# KiCad board q2.kicad_pcb (continued)
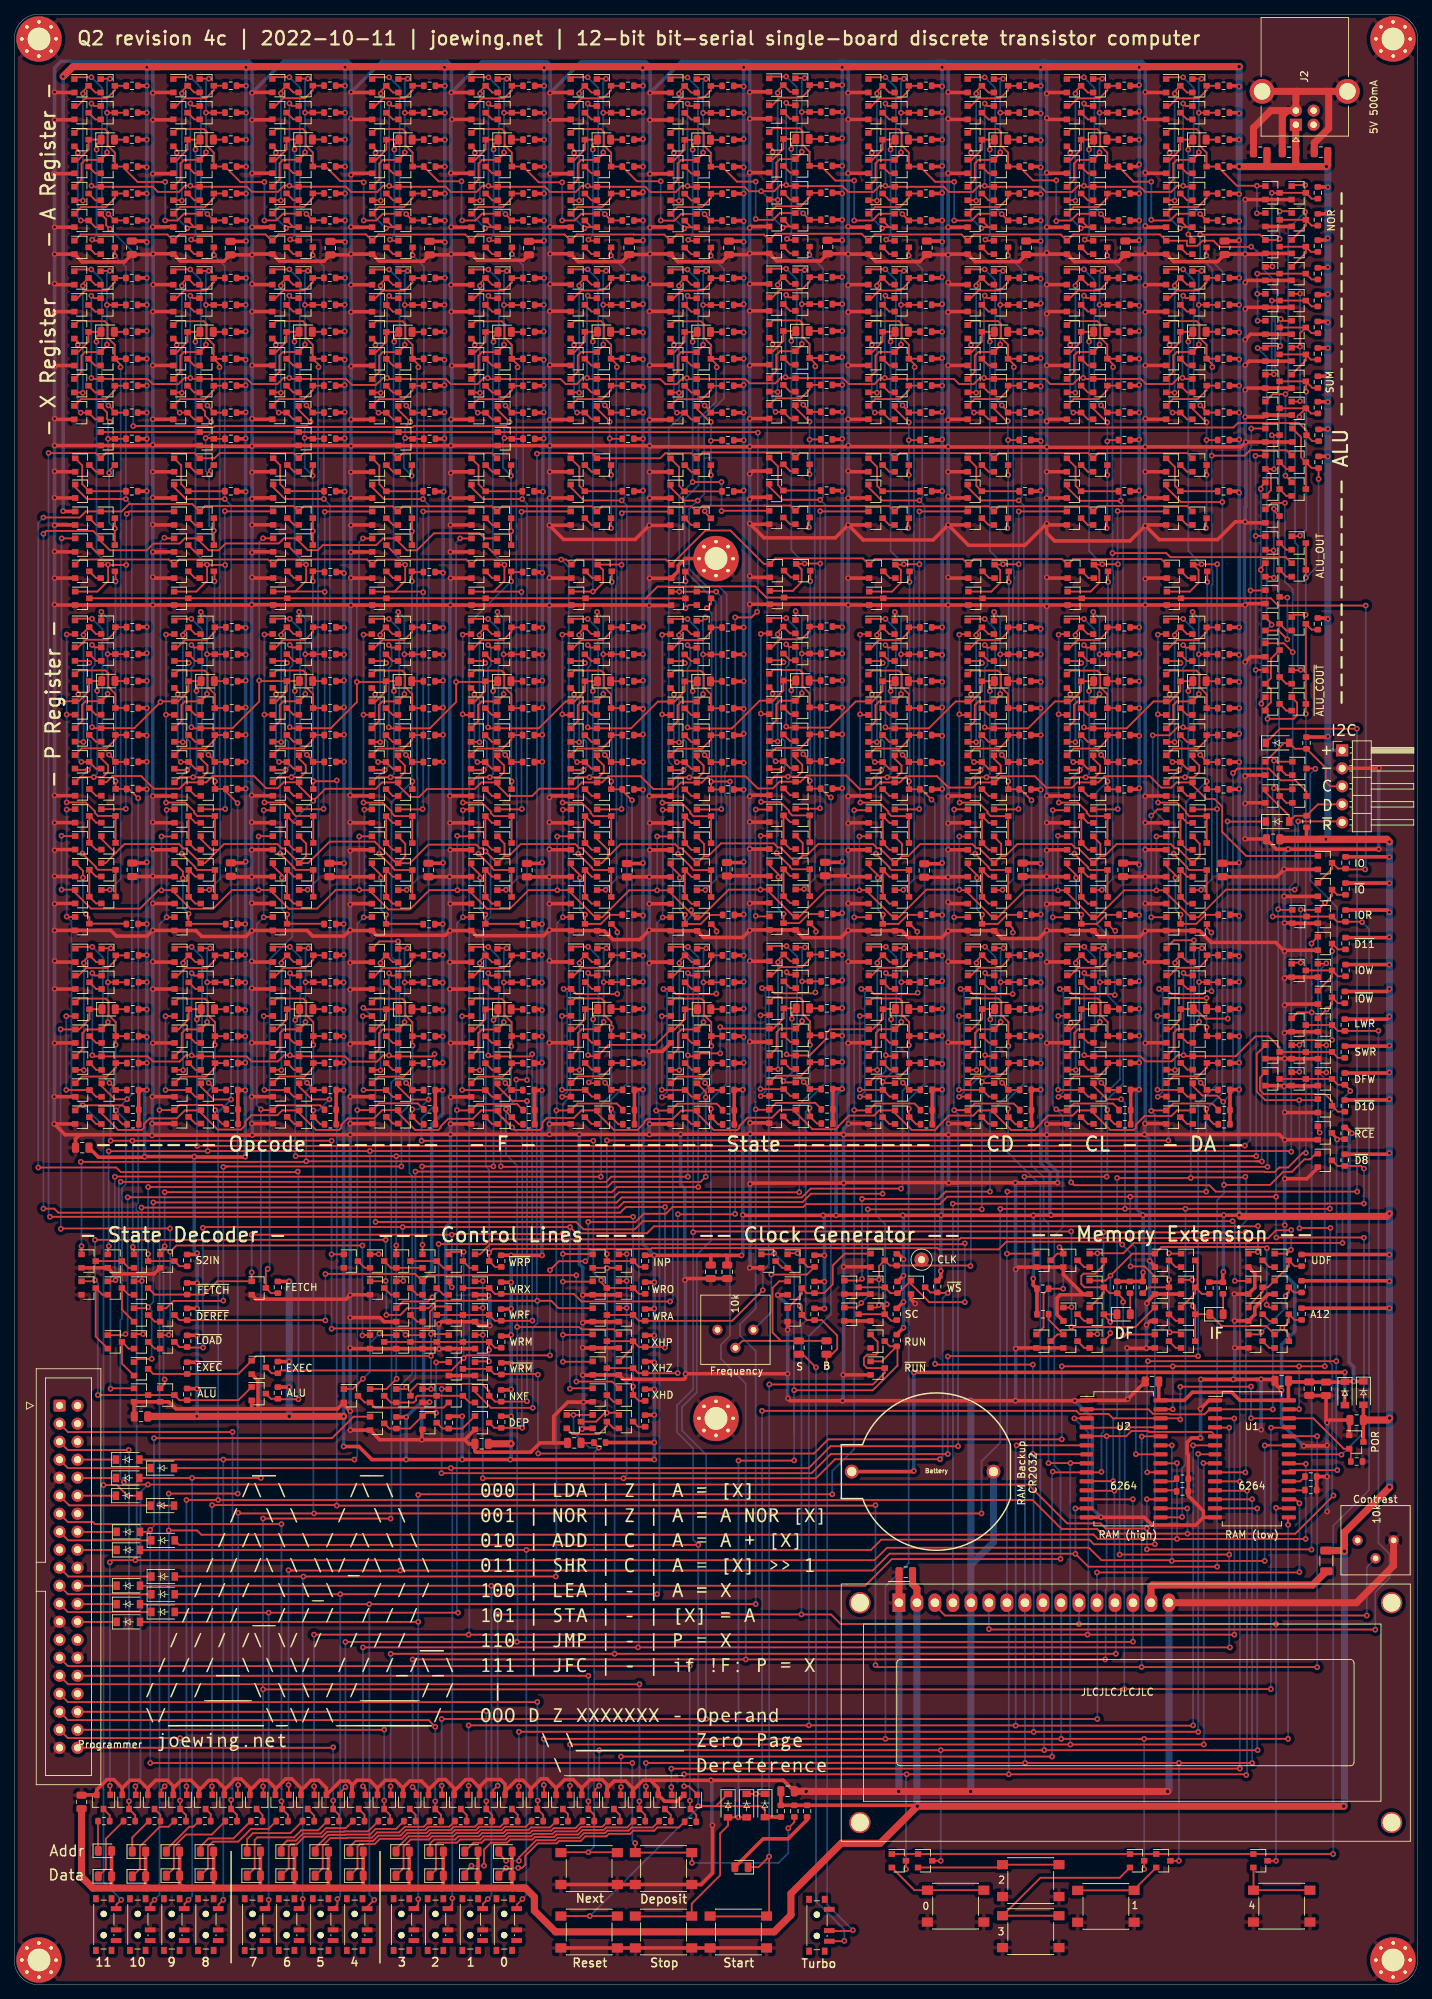
[diagram p0: board, top side]
## Routing (per net, layer and track width the routed paths; a pad name or vN(x,y) marks a point on that pad's centre or on a via; arc(x,y) is an arc through that point) (continued)
/Bit 6/~{XIN}: length 104.7
  Top w0.25: v1(71.62,165.87) 71.57,165.82 Q323.1 ; v1(67.61,231.79) 67.61,232.54 D18.1 Q313.3 66.49,231.78 65.04,230.33 Q309.1 ; Q296.1 v1(69.16,200.34) 69.16,198.06 67.64,196.54 67.44,196.54 ; Q944.1 71.61,207.85 v1(71.56,207.8) ; 67.44,196.54 Q305.1 ; 67.44,196.54 71.51,196.54 v1(71.56,196.49)
  Bottom w0.25: 67.52,231.79 67.52,201.98 v1(69.16,200.34) ; v1(71.56,207.8) v1(71.56,196.49) 71.56,165.93 v1(71.62,165.87)
/Bit 7/AH Register/DFF/~{Q}: length 21.6
  Top w0.25: v1(67.62,258.9) 67.62,259.66 D17.1 Q291.3 66.5,258.9 65.05,257.45 Q287.1 ; Q283.1 67.15,246.05 v1(67,246.2)
  Bottom w0.25: v1(67,246.2) 67.62,246.82 v1(67.62,258.9)
/Bit 7/AIN: length 28.9
  Top w0.25: 63.39,248.89 65.06,248.89 66.01,249.85 Q294.1 ; Q221.1 51.05,261.8 54.8,261.8 55.2,261.4 55.2,259.47 56.2,258.47 Q216.3 R95.2 59.86,254.42 v1(63.1,254.42)
  Bottom w0.25: v1(63.1,254.42) 63.1,249 v1(63.2,248.9)
/Bit 7/PH Register/P DFF/CLR: length 41.3
  Top w0.25: Q321.3 Q320.3 67.68,157.27 67.39,157.56 67.39,157.67 v1(65.49,159.56) ; Q339.2 64.62,171.37 v1(66.27,171.37) ; v1(66.47,186.47) 66.19,186.75 Q336.2
  Bottom w0.25: v1(66.47,186.47) 66.11,186.12 66.11,175.9 66.67,175.35 66.67,171.77 v1(66.27,171.37) 65.49,170.6 v1(65.49,159.56)
/Bit 7/PH Register/P DFF/Q: length 12
  Top w0.25: 71.72,180.1 Q330.3 70.14,182.07 69.14,183.07 69.14,185 68.74,185.4 64.99,185.4 Q335.1
/Bit 7/PH Register/P DFF/SET: length 37.7
  Top w0.25: Q322.3 Q323.3 67.68,164.87 67.24,165.31 67.24,165.53 66,166.77 63.27,166.77 ; Q332.2 63.34,190.55 v1(63.27,190.47) ; Q331.2 63.35,179.15 v1(63.27,179.23)
  Bottom w0.25: 63.27,166.77 v1(63.27,179.23) v1(63.27,190.47)
  vias: v1(63.3,166.78)
/Bit 7/XH Register/X DFF/D: length 27.3
  Top w0.25: v1(69.15,218.19) 70.2,218.19 70.31,218.09 71.88,218.09 ; Q316.1 68.19,222.17 v1(69.88,220.48) ; Q299.3 v1(70.11,205.05) Q298.3 ; v1(70.08,212.88) 70.08,214.36 Q300.3
  Bottom w0.25: v1(69.88,220.48) 69.05,219.66 ; 69.15,219.66 v1(69.15,218.19) ; v1(70.11,205.05) 70.08,205.08 v1(70.08,212.88) 68.95,214 68.95,218.19
/Bit 7/XOUT: length 89.1
  Top w0.25: v1(69.37,154.47) 69.32,154.42 Q321.1 ; v1(71.01,228.19) 71.01,228.56 Q308.3 ; Q308.3 70.19,231.35 69.19,232.35 69.19,234.28 68.79,234.68 65.04,234.68 Q313.1 ; Q308.3 R133.2
  Bottom w0.25: v1(69.37,154.47) 70.89,156 70.89,170.12 70.83,170.18 70.83,228.17
/Bit 7/~{P}: length 80.9
  Top w0.25: v1(52.84,189) 53.19,188.65 Q263.1 ; v1(52.84,177.4) 52.99,177.25 Q264.1 58.63,177.25 62.34,180.96 v1(62.34,183.8) 66.14,183.8 ; Q338.1 68.14,172.99 69.11,172.02 69.11,171.08 68.37,170.35 v1(67.09,170.35) 65.19,170.35 Q319.1 ; Q335.3 D19.1 67.56,183.26 v1(67.56,182.51) ; Q335.3 66.44,182.5 64.99,181.05 Q331.1 ; Q335.3 66.34,183.8 ; 63,204.04 v1(62.9,204.04) ; Q302.1 63.2,204.04
  Bottom w0.25: v1(52.84,189) 53.24,188.6 53.24,186.17 52.84,185.77 v1(52.84,177.4) ; v1(67.09,170.35) 67.56,170.82 v1(67.56,182.51) ; v1(62.34,183.8) 62.34,203.48 v1(62.9,204.04)
/Bit 7/~{XIN}: length 104.7
  Top w0.25: v1(57.62,165.87) 57.57,165.82 Q253.1 ; v1(53.61,231.79) 53.61,232.54 D14.1 Q243.3 52.49,231.78 51.04,230.33 Q239.1 ; Q226.1 v1(55.16,200.34) 55.16,198.06 53.64,196.54 53.44,196.54 ; v1(57.7,196.45) 57.61,196.54 53.44,196.54 ; 53.44,196.54 Q235.1 ; v1(57.7,207.84) Q303.1
  Bottom w0.25: 53.52,231.79 53.52,201.98 v1(55.16,200.34) ; v1(57.62,165.87) 57.7,165.96 v1(57.7,196.45) v1(57.7,207.84)
/Bit 8/AH Register/DFF/~{Q}: length 21.6
  Top w0.25: v1(53.62,258.9) 53.62,259.66 D13.1 Q221.3 52.5,258.9 51.05,257.45 Q217.1 ; Q213.1 53.15,246.05 v1(53,246.2)
  Bottom w0.25: v1(53,246.2) 53.62,246.82 v1(53.62,258.9)
/Bit 8/AIN: length 29.2
  Top w0.25: v1(49.3,248.9) 49.31,248.89 51.06,248.89 52.01,249.85 Q224.1 ; Q151.1 36.97,261.82 40.72,261.82 41.12,261.42 41.12,259.49 42.12,258.49 Q146.3 R65.2 43.94,256.52 46.01,254.45 49.13,254.45 v1(49.3,254.28)
  Bottom w0.25: v1(49.3,248.9) v1(49.3,254.28)
/Bit 8/PH Register/P DFF/CLR: length 41.3
  Top w0.25: Q251.3 Q250.3 53.68,157.27 53.39,157.56 53.39,157.67 v1(51.49,159.56) ; Q269.2 50.62,171.37 v1(52.27,171.37) ; v1(52.47,186.47) 52.19,186.75 Q266.2
  Bottom w0.25: v1(52.47,186.47) 52.11,186.12 52.11,175.9 52.67,175.35 52.67,171.77 v1(52.27,171.37) 51.49,170.6 v1(51.49,159.56)
/Bit 8/PH Register/P DFF/Q: length 12
  Top w0.25: 57.72,180.1 Q260.3 56.14,182.07 55.14,183.07 55.14,185 54.74,185.4 50.99,185.4 Q265.1
/Bit 8/PH Register/P DFF/SET: length 37.7
  Top w0.25: Q252.3 Q253.3 53.68,164.87 53.24,165.31 53.24,165.53 52,166.77 49.27,166.77 ; Q261.2 50.42,179.17 49.27,179.17 ; Q262.2 50.36,190.47 49.27,190.47
  Bottom w0.25: 49.27,166.77 49.27,190.47
  vias: v1(49.28,190.47) v1(49.28,179.17) v1(49.28,166.78)
/Bit 8/XH Register/X DFF/D: length 27.3
  Top w0.25: Q229.3 v1(56.11,205.05) Q228.3 ; v1(56.08,212.88) 56.08,214.36 Q230.3 ; v1(55.15,218.19) 56.2,218.19 56.31,218.09 57.88,218.09 ; Q246.1 54.19,222.17 v1(55.88,220.48)
  Bottom w0.25: v1(56.11,205.05) 56.08,205.08 v1(56.08,212.88) 54.95,214 54.95,218.19 ; v1(55.88,220.48) 55.05,219.66 ; 55.15,219.66 v1(55.15,218.19)
/Bit 8/XOUT: length 89.1
  Top w0.25: v1(55.37,154.47) 55.32,154.42 Q251.1 ; v1(57.01,228.19) 57.01,228.56 Q238.3 ; Q238.3 56.19,231.35 55.19,232.35 55.19,234.28 54.79,234.68 51.04,234.68 Q243.1 ; Q238.3 R103.2
  Bottom w0.25: v1(55.37,154.47) 56.89,156 56.89,170.12 56.83,170.18 56.83,228.17
/Bit 8/~{P}: length 80.9
  Top w0.25: v1(38.86,189.02) 39.21,188.67 Q193.1 ; v1(38.86,177.42) 39.01,177.27 Q194.1 44.65,177.27 48.34,180.96 v1(48.34,183.8) ; Q268.1 54.14,172.99 55.11,172.02 55.11,171.08 54.37,170.35 v1(53.09,170.35) 51.19,170.35 Q249.1 ; Q265.3 D15.1 53.56,183.26 v1(53.56,182.51) ; Q265.3 52.44,182.5 50.99,181.05 Q261.1 ; Q265.3 52.34,183.8 48.54,183.8 ; Q232.1 v1(49.2,204.04)
  Bottom w0.25: v1(38.86,189.02) 39.26,188.62 39.26,186.19 38.86,185.79 v1(38.86,177.42) ; v1(53.09,170.35) 53.56,170.82 v1(53.56,182.51) ; v1(49.2,204.04) 48.64,203.48 48.64,194.67 48.34,194.37 v1(48.34,183.8)
/Bit 8/~{XIN}: length 104.7
  Top w0.25: v1(43.64,165.89) 43.59,165.84 Q183.1 ; 50.31,207.84 43.84,207.84 v1(43.8,207.8) ; v1(39.54,231.81) 39.54,232.56 D10.1 Q173.3 38.41,231.8 36.96,230.35 Q169.1 ; Q156.1 v1(41.18,200.36) 41.18,198.07 39.67,196.56 39.24,196.56 ; 39.24,196.56 43.74,196.56 v1(43.8,196.5) ; 39.24,196.56 Q165.1
  Bottom w0.25: v1(39.54,231.81) 39.54,202 v1(41.18,200.36) ; v1(43.8,207.8) v1(43.8,196.5) 43.8,175.9 43.64,175.74 v1(43.64,165.89)
/Bit 9/AH Register/DFF/~{Q}: length 21.6
  Top w0.25: Q143.1 39.07,246.07 v1(38.92,246.22) ; Q147.1 36.97,257.47 38.42,258.92 Q151.3 D9.1 39.55,259.68 v1(39.55,258.92)
  Bottom w0.25: v1(38.92,246.22) 39.55,246.84 v1(39.55,258.92)
/Bit 9/PH Register/P DFF/CLR: length 41.3
  Top w0.25: Q181.3 Q180.3 39.7,157.29 39.41,157.58 39.41,157.69 v1(37.52,159.58) ; Q199.2 36.64,171.39 v1(38.29,171.39) ; v1(38.49,186.49) 38.21,186.77 Q196.2
  Bottom w0.25: v1(38.49,186.49) 38.14,186.14 38.14,175.92 38.69,175.37 38.69,171.79 v1(38.29,171.39) 37.52,170.62 v1(37.52,159.58)
/Bit 9/PH Register/P DFF/Q: length 12
  Top w0.25: R80.2 Q190.3 42.16,182.09 41.16,183.09 41.16,185.02 40.76,185.42 37.01,185.42 Q195.1
/Bit 9/PH Register/P DFF/SET: length 37.7
  Top w0.25: Q182.3 Q183.3 39.7,164.89 39.27,165.33 39.27,165.55 38.03,166.79 35.29,166.79 ; Q191.2 36.44,179.19 35.29,179.19 ; Q192.2 36.39,190.49 35.29,190.49
  Bottom w0.25: 35.29,166.79 35.29,190.49
  vias: v1(35.3,190.49) v1(35.3,179.19) v1(35.3,166.8)
/Bit 9/XH Register/X DFF/D: length 27.3
  Top w0.25: Q159.3 v1(42.13,205.07) Q158.3 ; v1(42.1,212.9) 42.1,214.38 Q160.3 ; v1(40.98,218.21) 42.03,218.21 Q157.3 R70.2 ; Q176.1 40.11,222.19 v1(41.8,220.5)
  Bottom w0.25: v1(42.13,205.07) 42.1,205.1 v1(42.1,212.9) 40.98,214.02 v1(40.98,218.21) 40.98,219.68 v1(41.8,220.5)
/Bit 9/XOUT: length 89.1
  Top w0.25: v1(41.39,154.49) 41.34,154.44 Q181.1 ; v1(42.93,228.21) 42.93,228.58 Q168.3 ; Q168.3 42.11,231.37 41.11,232.37 41.11,234.3 40.71,234.7 36.96,234.7 Q173.1 ; Q168.3 R73.2
  Bottom w0.25: v1(41.39,154.49) 42.92,156.02 42.92,170.14 42.86,170.2 42.86,228.18
/Bit 10/AH Register/DFF/~{Q}: length 21.6
  Top w0.25: Q77.1 23,257.46 24.45,258.91 Q81.3 D5.1 25.58,259.67 v1(25.58,258.91) ; v1(24.95,246.21) 25.1,246.06 Q73.1
  Bottom w0.25: v1(25.58,258.91) 25.58,246.83 v1(24.95,246.21)
/Bit 10/AIN: length 29.4
  Top w0.25: Q84.1 23.97,249.86 23.01,248.9 v1(21.3,248.9) ; Q11.1 9.05,261.8 12.8,261.8 13.2,261.4 13.2,259.47 14.2,258.47 Q6.3 R5.2 15.77,255.97 17.41,254.34 v1(21.3,254.34)
  Bottom w0.25: v1(21.3,248.9) v1(21.3,254.34)
/Bit 10/AOUT: length 29
  Top w0.25: Q81.1 23,261.81 26.75,261.81 27.15,261.41 27.15,259.48 28.15,258.48 Q76.3 R35.2 31.91,254.33 v1(35.3,254.33) ; 36.88,248.91 35.31,248.91 v1(35.3,248.9) ; 36.98,248.91 37.94,249.87 Q154.1
  Bottom w0.25: v1(35.3,248.9) v1(35.3,254.33)
/Bit 10/INCP: length 80.9
  Top w0.25: v1(24.99,189.01) 25.34,188.66 Q123.1 ; v1(24.99,177.41) 25.14,177.26 Q124.1 30.78,177.26 34.56,181.04 v1(34.56,184) 34.65,183.92 Q195.3 ; Q198.1 40.16,173 41.13,172.03 41.13,171.1 40.4,170.37 v1(39.11,170.37) 37.22,170.37 Q179.1 ; Q195.3 D11.1 39.59,183.28 v1(39.59,182.53) ; Q195.3 38.46,182.52 37.01,181.07 Q191.1 ; 36.43,204.06 v1(35.1,204.06)
  Bottom w0.25: v1(24.99,189.01) 25.39,188.61 25.39,186.18 24.99,185.78 v1(24.99,177.41) ; v1(39.11,170.37) 39.59,170.84 v1(39.59,182.53) ; v1(34.56,184) 34.56,203.52 v1(35.1,204.06)
/Bit 10/PH Register/P DFF/CLR: length 41.3
  Top w0.25: Q111.3 Q110.3 25.83,157.28 25.54,157.57 25.54,157.68 v1(23.65,159.57) ; Q129.2 22.77,171.38 v1(24.42,171.38) ; v1(24.62,186.48) 24.34,186.76 Q126.2
  Bottom w0.25: v1(24.62,186.48) 24.27,186.13 24.27,175.91 24.82,175.36 24.82,171.78 v1(24.42,171.38) 23.65,170.61 v1(23.65,159.57)
/Bit 10/PH Register/P DFF/Q: length 12
  Top w0.25: R50.2 Q120.3 28.29,182.08 27.29,183.08 27.29,185.01 26.89,185.41 23.14,185.41 Q125.1
/Bit 10/PH Register/P DFF/SET: length 37.7
  Top w0.25: Q112.3 Q113.3 25.83,164.88 25.4,165.32 25.4,165.54 24.16,166.78 v1(21.42,166.78) ; Q121.2 22.57,179.18 v1(21.42,179.18) ; Q122.2 22.52,190.48 v1(21.42,190.48)
  Bottom w0.25: v1(21.42,190.48) v1(21.42,179.18) v1(21.42,166.78)
/Bit 10/XH Register/X DFF/D: length 27.2
  Top w0.25: R40.2 Q87.3 28.06,218.2 v1(27,218.2) ; Q90.3 27.5,213.74 v1(27.5,213.1) ; Q89.3 v1(28.16,205.14) Q88.3 ; v1(27.8,220.5) 26.92,221.38 26.92,221.96 Q106.1
  Bottom w0.25: v1(27.8,220.5) 27.8,218.99 v1(27,218.2) 27,213.6 v1(27.5,213.1) 27.5,205.8 v1(28.16,205.14)
/Bit 10/XOUT: length 89.1
  Top w0.25: R43.2 Q98.3 ; Q98.3 28.14,231.36 27.14,232.36 27.14,234.29 26.74,234.69 22.99,234.69 Q103.1 ; Q98.3 28.96,228.57 v1(28.96,228.2) ; v1(27.52,154.48) 27.47,154.43 Q111.1
  Bottom w0.25: v1(28.96,228.2) 28.99,228.17 28.99,170.19 29.05,170.13 29.05,156.01 v1(27.52,154.48)
/Bit 10/~{P}: length 79.2
  Top w0.25: v1(10.97,189.03) 11.32,188.68 Q53.1 ; v1(10.97,177.43) 11.12,177.28 Q54.1 16.95,177.28 v1(20.64,180.96) 20.73,181.06 Q121.1 23.14,181.06 24.59,182.51 Q125.3 D7.1 25.72,183.27 v1(25.72,182.52) ; Q128.1 26.29,172.99 27.26,172.02 27.26,171.09 26.53,170.36 v1(25.24,170.36) 23.35,170.36 Q109.1 ; v1(21.2,204.15) 21.3,204.05 Q92.1
  Bottom w0.25: v1(25.24,170.36) 25.72,170.83 v1(25.72,182.52) ; v1(10.97,177.43) 10.97,185.8 11.37,186.2 11.37,188.63 v1(10.97,189.03) ; v1(20.64,180.96) 20.64,203.59 v1(21.2,204.15)
/Bit 10/~{XIN}: length 102.7
  Top w0.25: Q29.1 9.03,230.34 10.48,231.79 Q33.3 D2.1 11.61,232.55 v1(11.61,231.8) ; v1(15.88,207.5) 16.22,207.85 Q93.1 ; Q43.1 15.7,165.85 v1(15.75,165.9) ; Q25.1 11.74,196.55 13.25,198.06 v1(13.25,200.35) ; v1(15.8,200.3) 13.3,200.3 v1(13.25,200.35) ; v1(13.25,200.35) Q16.1
  Bottom w0.25: v1(15.88,207.5) 15.8,207.42 v1(15.8,200.3) 15.75,200.25 v1(15.75,165.9) ; v1(13.25,200.35) 11.61,201.99 v1(11.61,231.8)
/Bit 10/~{XOUT}: length 103
  Top w0.25: Q99.1 22.99,230.34 24.44,231.79 Q103.3 D6.1 25.57,232.55 v1(25.57,231.8) ; Q86.1 v1(27.21,200.35) ; v1(27.21,200.35) 27.21,198.06 25.7,196.55 Q95.1 ; v1(27.21,200.35) 27.26,200.3 v1(29.76,200.3) ; v1(29.77,165.88) 29.72,165.83 Q113.1 ; v1(29.71,207.9) 29.75,207.86 36.43,207.86
  Bottom w0.25: v1(27.21,200.35) 25.57,201.99 v1(25.57,231.8) ; v1(29.77,165.88) 29.77,200.29 v1(29.76,200.3) 29.71,200.35 v1(29.71,207.9)
/Bit 11/AH Register/DFF/~{Q}: length 21.6
  Top w0.25: v1(11,246.2) 11.15,246.05 Q3.1 ; Q7.1 9.05,257.45 10.5,258.9 Q11.3 D1.1 11.62,259.66 v1(11.62,258.9)
  Bottom w0.25: v1(11.62,258.9) 11.62,246.82 v1(11,246.2)
/Bit 11/PH Register/P DFF/CLR: length 41.3
  Top w0.25: v1(9.63,159.59) 11.52,157.7 11.52,157.59 11.81,157.3 Q40.3 Q41.3 ; v1(10.6,186.5) 10.32,186.78 Q56.2 ; v1(10.4,171.4) 8.75,171.4 Q59.2
  Bottom w0.25: v1(10.6,186.5) 10.25,186.15 10.25,175.93 10.8,175.38 10.8,171.8 v1(10.4,171.4) 9.63,170.63 v1(9.63,159.59)
/Bit 11/PH Register/P DFF/Q: length 12
  Top w0.25: R20.2 Q50.3 14.27,182.1 13.27,183.1 13.27,185.03 12.87,185.43 9.12,185.43 Q55.1
/Bit 11/PH Register/P DFF/SET: length 37.7
  Top w0.25: v1(7.4,190.5) 8.5,190.5 Q52.2 ; Q51.2 8.55,179.2 v1(7.4,179.2) ; v1(7.4,166.8) 10.14,166.8 11.38,165.56 11.38,165.34 11.81,164.9 Q43.3 Q42.3
  Bottom w0.25: v1(7.4,190.5) v1(7.4,179.2) v1(7.4,166.8)
/Bit 11/XH Register/X DFF/D: length 26.1
  Top w0.25: v1(13.5,220.5) 13.1,220.9 13.1,221.82 Q36.1 ; v1(13.4,213.3) 13.4,213.6 Q20.3 ; Q18.3 v1(14.2,205.45) Q19.3 ; R10.2 Q17.3 v1(13.25,218.1)
  Bottom w0.25: v1(13.5,220.5) 13.25,220.25 v1(13.25,218.1) 13.25,213.45 v1(13.4,213.3) 13.4,206.25 v1(14.2,205.45)
/Bit 11/XOUT: length 89.1
  Top w0.25: R13.2 Q28.3 ; Q28.3 14.18,231.36 13.18,232.36 13.18,234.29 12.78,234.69 9.03,234.69 Q33.1 ; Q28.3 15,228.57 v1(15,228.2) ; Q41.1 13.45,154.45 v1(13.5,154.5)
  Bottom w0.25: v1(15,228.2) 15.03,228.17 15.03,156.03 v1(13.5,154.5)
/Bit 11/~{P}: length 54.6
  Top w0.25: Q58.1 12.27,173.01 13.24,172.04 13.24,171.11 12.51,170.38 v1(11.22,170.38) 9.33,170.38 Q39.1 ; v1(11.7,182.54) 11.7,183.29 D3.1 Q55.3 10.57,182.53 9.12,181.08 Q51.1 6.7,181.08 v1(6.67,181.05) ; v1(6.7,204.05) Q22.1
  Bottom w0.25: v1(6.7,204.05) 6.67,204.02 v1(6.67,181.05) ; v1(11.22,170.38) 11.7,170.85 v1(11.7,182.54)
/Control/~{WS}: length 159.5
  Top w0.25: v1(66.1,91.7) 65.05,91.7 Q696.1 ; v1(66.1,95.5) 65.05,95.5 Q703.1 ; Q691.1 66.05,99.25 v1(66.1,99.3) ; Q716.1 86.35,99.25 v1(86.4,99.3) ; v1(86.4,95.5) 85.35,95.5 Q714.1 ; Q676.1 86.35,103.05 v1(86.4,103.1) ; v1(131.69,97.6) 130.27,97.6 R308.2 129.23,97.67 Q674.3 ; v1(66.1,71.45) v1(85.94,71.45) 113.1,71.45 115.79,74.14 v1(130.59,74.14)
  Bottom w0.25: v1(66.1,99.3) v1(66.1,95.5) v1(66.1,91.7) v1(66.1,71.45) ; v1(131.69,97.6) 130.97,96.87 130.97,74.52 v1(130.59,74.14) ; v1(86.4,103.1) v1(86.4,99.3) v1(86.4,95.5) 86.4,71.91 v1(85.94,71.45)
/Memory/~{RAM_CE}: length 101.3
  Top w0.25: 179.68,72.29 179.99,72.6 v1(186.65,72.6) ; 187.7,119.37 186.69,119.37 Q636.3 185.88,119.99 v1(186.62,119.25) ; 161.58,72.29 161.57,72.3 v1(159.82,72.3) ; v1(186.5,87.97) v1(159.93,87.97)
  Bottom w0.25: v1(186.65,72.6) 186.5,72.75 v1(186.5,87.97) 186.53,88 186.53,119.15 v1(186.62,119.25) ; v1(159.93,87.97) 159.82,87.87 v1(159.82,72.3)
A0: length 25
  Top w0.25: v1(175.3,249.9) 176.45,249.9 Q727.1 ; Q719.1 175.35,253.75 v1(175.3,253.8) 172.48,253.8 R245.2 Q561.3 168.2,258.47 167.2,259.47 167.2,261.4 166.8,261.8 163.05,261.8 Q566.1
  Bottom w0.25: v1(175.3,253.8) v1(175.3,249.9)
ABUS0: length 325.8
  Top w0.25: v1(168.23,169.77) Q571.3 168.25,168.65 R241.2 ; Q593.3 v1(168.3,197.9) ; v1(92.7,30.5) v1(172.9,30.5) ; v1(92.7,27.9) 92.75,27.85 Q981.1 ; v1(172.9,71) 172.88,71.02 169.52,71.02 ; v1(173.68,114) 173.58,113.9 166.05,113.9 v1(165.97,113.83) 165.97,113.82 v1(155.57,113.82) ; 151.42,71.02 151.44,71.05 v1(155.02,71.05)
  Bottom w0.25: v1(168.3,197.9) 168.3,169.85 v1(168.23,169.77) 165.3,166.85 165.3,144.8 165.97,144.12 v1(165.97,113.83) ; v1(155.57,113.82) 155.57,80.2 155.02,79.65 v1(155.02,71.05) ; v1(173.68,114) 173.8,113.88 173.8,107.8 172.9,106.9 v1(172.9,71) v1(172.9,30.5) ; v1(92.7,27.9) v1(92.7,30.5)
ABUS1: length 305
  Top w0.25: v1(154.23,169.77) Q503.3 154.25,168.65 R211.2 ; Q525.3 v1(154.3,197.9) ; v1(173.68,72.27) 173.65,72.29 169.52,72.29 ; Q980.1 85.55,27.85 v1(85.6,27.9) ; v1(85.6,32.2) v1(146.4,32.2) ; v1(146.5,72.4) 146.61,72.29 153.3,72.29 v1(153.38,72.37) ; v1(173.75,106.2) 173.7,106.15 v1(153.65,106.15)
  Bottom w0.25: v1(154.3,197.9) 154.3,169.85 v1(154.23,169.77) 152.7,168.25 152.7,149.63 154.28,148.05 154.28,139.53 155.97,137.83 155.97,127.75 153.37,125.15 153.37,106.43 v1(153.65,106.15) 153.65,78.02 153.38,77.75 v1(153.38,72.37) ; 146.43,72.33 v1(146.5,72.4) 146.4,72.3 v1(146.4,32.2) ; v1(173.75,106.2) 173.75,72.35 v1(173.68,72.27) ; v1(85.6,27.9) 85.6,32.4
ABUS2: length 313.8
  Top w0.25: v1(140.23,169.77) Q772.3 140.25,168.65 R336.2 141.95,168.65 v1(143.5,167.1) ; Q794.3 v1(140.3,197.9) ; v1(167.75,73.6) 167.79,73.56 169.52,73.56 ; v1(145.9,73.6) 150.4,73.6 ; 150.4,73.6 151.38,73.6 ; 150.4,73.6 v1(149,73.6) ; v1(78.4,33.9) v1(149,33.9) v1(167.8,33.9) ; v1(78.4,28.1) 78.35,28.05 Q979.1
  Bottom w0.25: v1(140.23,169.77) 140.3,169.85 v1(140.3,197.9) ; v1(78.4,28.1) v1(78.4,33.9) ; v1(167.8,33.9) 167.8,73.55 v1(167.75,73.6) ; v1(145.9,73.6) 145.9,107.39 145.21,108.08 145.21,113.94 143.5,115.65 v1(143.5,167.1) ; v1(149,73.6) 148.97,73.57 148.97,33.93 v1(149,33.9)
ABUS3: length 334.3
  Top w0.25: v1(126.23,169.77) Q435.3 126.25,168.65 R181.2 127.95,168.65 v1(129.4,167.2) ; Q457.3 v1(126.3,197.9) ; v1(71.2,28) 71.15,27.95 Q976.1 ; 151.42,74.83 143.76,74.83 v1(143.7,74.9) ; v1(71.2,35.7) 167,35.7 v1(167.02,35.67) ; v1(143.7,87.5) 130,87.5 v1(129.9,87.6) ; v1(167.02,74.9) 167.09,74.83 169.52,74.83
  Bottom w0.25: v1(126.23,169.77) 126.3,169.85 v1(126.3,197.9) ; v1(167.02,74.9) v1(167.02,35.67) ; v1(129.9,87.6) 129.88,87.62 129.88,166.72 v1(129.4,167.2) ; v1(71.2,28) v1(71.2,35.7) ; v1(143.8,35.67) 143.81,35.68 143.81,74.79 v1(143.7,74.9) v1(143.7,87.5)
ABUS4: length 371.1
  Top w0.25: v1(112.23,169.87) Q367.3 112.25,168.75 R151.2 115.02,167.5 v1(115.2,167.5) ; Q389.3 v1(112.3,198) ; 151.42,76.1 141.4,76.1 v1(141.4,76.1) ; v1(166.3,76.1) 169.51,76.1 ; v1(166.3,36.6) 166.27,36.57 v1(141.27,36.57) 141.23,36.6 v1(64.1,36.6) ; Q975.1 64.1,26.8 v1(64.1,28.1)
  Bottom w0.25: v1(112.23,169.87) 112.3,169.95 v1(112.3,198) ; v1(141.4,76.1) 141.27,75.97 v1(141.27,36.57) ; 112,36.6 112.1,36.7 112.1,91.5 115.2,94.6 v1(115.2,167.5) ; v1(166.3,36.6) v1(166.3,76.1) ; v1(64.1,28.1) 64.1,36.7
  vias: v1(112.1,36.6)
ABUS5: length 324.9
  Top w0.25: R369.2 98.33,168.63 Q850.3 v1(98.31,169.75) v1(100.98,169.75) ; v1(56.2,45.9) v1(103.2,45.9) v1(153.9,45.9) ; 169.52,77.37 168.89,78 160.1,78 159.98,78.13 157.6,78.13 156.87,77.4 v1(154.1,77.4) 151.44,77.4 151.42,77.37 ; v1(56.2,27.9) 56.75,27.35 Q974.1 ; Q872.3 98.3,194.8 v1(97.7,194.2)
  Bottom w0.25: v1(98.31,169.75) 98.38,169.83 98.38,193.52 v1(97.7,194.2) ; v1(154.1,77.4) 154.1,55.85 153.97,55.72 153.97,45.97 v1(153.9,45.9) ; v1(100.98,169.75) 100.97,169.75 100.97,91.57 99.7,90.3 99.7,88.3 103.2,84.8 v1(103.2,45.9) ; v1(56.2,27.9) v1(56.2,45.9)
ABUS6: length 368.5
  Top w0.25: v1(84.23,169.77) Q918.3 84.25,168.65 R399.2 85.77,168.48 v1(87.15,167.1) ; Q978.1 49.55,27.65 v1(49.2,28) ; v1(155.9,78.6) 151.46,78.6 151.42,78.64 ; v1(49.2,47.6) v1(88,47.6) v1(171.5,47.6) ; 169.52,78.64 169.56,78.6 v1(171.4,78.6) ; v1(155.93,60.7) v1(171.4,60.7) ; Q940.3 v1(84.3,197.9)
  Bottom w0.25: v1(171.4,78.6) v1(171.4,60.7) 171.4,47.7 v1(171.5,47.6) ; v1(49.2,28) v1(49.2,47.6) ; v1(155.93,60.7) 155.93,78.57 v1(155.9,78.6) ; v1(87.15,167.1) 87.15,126.78 88.12,125.8 88.12,47.72 v1(88,47.6) ; v1(84.23,169.77) 84.3,169.85 v1(84.3,197.9)
ABUS7: length 402.4
  Top w0.25: Q318.3 v1(70.17,169.77) ; 70.21,199.29 Q296.3 ; Q296.3 70.2,199.3 R121.2 ; Q296.3 v1(70.11,197.99) ; v1(172.1,79.9) 169.54,79.9 169.52,79.91 ; 151.42,79.91 149.56,79.91 v1(149.55,79.9) ; v1(42.3,28) 42.35,27.95 Q977.1 ; v1(42.3,49.4) v1(64.1,49.4) v1(151.4,49.4) v1(172.12,49.4)
  Bottom w0.25: v1(70.17,169.77) 70.11,169.83 v1(70.11,197.99) 64.19,192.08 64.19,62.81 64.2,62.8 64.2,49.5 v1(64.1,49.4) ; v1(172.12,49.4) 172.12,79.87 v1(172.1,79.9) ; v1(149.55,79.9) 151.51,77.94 151.51,49.51 v1(151.4,49.4) ; v1(42.3,28) v1(42.3,49.4)
ABUS8: length 419
  Top w0.25: Q248.3 v1(56.17,169.77) ; 56.21,199.29 Q226.3 ; Q226.3 v1(56.11,197.99) ; Q226.3 56.2,199.3 R91.2 ; v1(35.1,41.67) 156.55,41.67 v1(156.59,41.72) 177.27,41.72 v1(177.27,41.72) ; v1(157.1,78.7) 157.15,78.64 161.58,78.64 ; Q973.1 35.15,27.95 v1(35.1,28) ; v1(177.3,78.6) 179.63,78.6 179.68,78.64 ; v1(35.1,65.77) v1(53.1,65.77)
  Bottom w0.25: v1(177.3,78.6) 177.27,78.57 v1(177.27,41.72) ; v1(157.1,78.7) 156.65,78.25 156.65,55.92 156.59,55.86 v1(156.59,41.72) ; v1(53.1,65.77) 53.23,65.9 53.23,103.9 53.17,103.95 53.17,127.26 53.9,127.98 53.9,144.32 53.22,145 53.22,166.83 v1(56.17,169.77) 56.11,169.83 v1(56.11,197.99) ; 35.1,42.1 v1(35.1,41.67) ; 35.1,42.1 v1(35.1,28) ; 35.1,42.1 v1(35.1,65.77)
ABUS9: length 429.7
  Top w0.25: Q178.3 v1(42.19,169.79) 45.39,169.79 v1(45.5,169.9) ; 161.58,77.37 159.07,77.37 v1(159.05,77.35) ; v1(121.5,45.1) 121.77,44.82 v1(159.02,44.82) 183.77,44.82 v1(183.8,44.8) ; Q972.1 27.95,27.95 v1(27.9,28) ; v1(121.5,67.67) 121.42,67.6 v1(45.5,67.6) 45.42,67.67 v1(27.91,67.67) ; v1(42.13,198.01) Q156.3 43.66,199.41 R61.2 ; v1(183.8,77.4) 179.7,77.4
  Bottom w0.25: v1(42.19,169.79) 42.13,169.85 v1(42.13,198.01) ; 159.05,76.58 159.05,44.85 v1(159.02,44.82) ; 159.05,76.58 159.05,76.85 ; 159.05,76.58 159.05,76.58 v1(159.05,77.35) ; v1(45.5,169.9) v1(45.5,67.6) ; v1(27.91,67.67) 27.9,67.66 v1(27.9,28) ; v1(183.8,44.8) v1(183.8,77.4) ; v1(121.5,67.67) v1(121.5,45.1)
ABUS10: length 372.2
  Top w0.25: Q86.3 28.26,199.3 v1(28.26,198) ; v1(28.32,169.78) Q108.3 28.34,168.7 R31.2 29.88,168.32 v1(31.5,166.7) ; 161.58,73.56 163.99,73.56 v1(164.02,73.6) ; v1(21.8,64.1) 25.8,64.1 26.4,63.5 138.88,63.5 138.9,63.52 152.25,63.52 152.88,62.89 164.01,62.89 v1(164.02,62.9) v1(182.17,62.9) ; Q971.1 20.75,27.52 v1(21.22,28) ; v1(182.2,73.5) 179.75,73.5 ; v1(21.8,69.3) v1(31.52,69.3)
  Bottom w0.25: v1(28.32,169.78) 28.26,169.84 v1(28.26,198) ; v1(31.5,166.7) 31.52,166.67 v1(31.52,69.3) ; v1(21.8,69.3) v1(21.8,64.1) 21.8,28.57 v1(21.22,28) ; v1(164.02,62.9) v1(164.02,73.6) ; v1(182.2,73.5) 182.2,62.93 v1(182.17,62.9)
ABUS11: length 377.9
  Top w0.25: v1(13.5,59.6) 13.8,59.9 v1(17.1,59.9) 121.36,59.9 123.12,61.66 151.62,61.66 153.38,59.9 163.2,59.9 v1(163.3,59.8) v1(176.4,59.8) ; Q970.1 13.55,28.05 v1(13.5,28.1) ; v1(176.4,76.1) 177.1,76.1 ; 177.1,76.1 176.55,76.1 ; 177.1,76.1 179.68,76.1 179.68,76.1 ; v1(17.5,167.4) 16.2,168.7 R1.2 Q38.3 v1(14.3,169.8) ; v1(14.3,198) 14.3,199.3 Q16.3 ; 161.58,76.1 163.3,76.1 v1(163.3,76.1)
  Bottom w0.25: v1(17.5,167.4) 17.5,110.27 17.22,110 17.22,109.3 17.5,109.03 17.5,99.87 17.27,99.65 17.27,60.07 v1(17.1,59.9) ; v1(13.5,28.1) v1(13.5,59.6) ; v1(163.3,76.1) v1(163.3,59.8) ; v1(176.4,59.8) v1(176.4,76.1) ; v1(14.3,198) v1(14.3,169.8)
ABUS12: length 45.5
  Top w0.25: Q1007.3 179.8,91.8 v1(178.9,92.7) 179,92.7 179.8,93.5 Q996.3 180.6,93.8 R455.2 ; v1(177.55,81.17) 177.54,81.18 168.62,81.18 167.91,80.47 163.08,80.47 162.99,80.56 160.63,80.56 160.01,81.18 151.42,81.18
  Bottom w0.25: v1(177.55,81.17) 177.55,91.35 v1(178.9,92.7)
ALU_OUT: length 201.1
  Top w0.25: Q14.1 12.98,249.07 12.98,248.22 v1(13.5,247.7) ; v1(16.8,219.9) 27.33,219.9 27.45,219.77 28.15,219.77 28.27,219.9 41.33,219.9 41.45,219.77 55.51,219.77 55.53,219.76 56.22,219.76 56.37,219.9 69.38,219.9 69.59,219.69 171.98,219.69 172.61,220.33 181.22,220.33 182.3,219.25 Q744.3 183.12,217.77 R335.2
  Bottom w0.25: v1(16.8,219.9) 16.8,244.4 v1(13.5,247.7)
CDIV: length 67.4
  Top w0.25: R361.2 Q814.3 ; Q814.3 140.25,135.82 139.25,136.82 139.25,138.75 138.85,139.15 135.1,139.15 Q819.1 ; Q814.3 v1(140.25,132.45) ; v1(137.65,111.9) 131.4,111.9 130.38,110.87 v1(119.6,110.87) ; Q632.1 119.35,99.35 v1(119.6,99.6)
  Bottom w0.25: v1(137.65,111.9) 137.65,122.99 140.25,125.59 v1(140.25,132.45) ; v1(119.6,99.6) v1(119.6,110.87)
CLK: length 68.1
  Top w0.25: v1(136.95,142.75) 137.3,142.4 Q817.1 ; v1(136.95,131.15) 137.1,131 Q818.1 ; v1(122,95.9) 121.65,95.55 Q629.1 ; Q631.1 120.95,99.5 v1(122,99.5) 122,101.4 Q627.3 123.52,101.47 R275.2 126.87,101.47 ; v1(134.9,101.4) 134.82,101.47 126.87,101.47 ; 126.87,101.47 127.17,101.47 TP1.1
  Bottom w0.25: v1(136.95,142.75) v1(136.95,131.15) 136.95,128.92 134.95,126.92 134.95,101.45 v1(134.9,101.4) ; v1(122,95.9) v1(122,99.5)
DBUS0: length 404.9
  Top w0.25: v1(94.5,29.7) v1(125.9,29.7) v1(140.3,29.7) 173.7,29.7 v1(173.8,29.6) ; 169.52,69.75 169.57,69.7 v1(173.9,69.7) ; R242.2 169.25,121.4 Q555.3 168.25,123.47 v1(168.18,123.55) ; v1(168.18,243.95) 168.18,245.07 Q558.3 ; v1(94.5,28) 95.2,28 96.35,26.85 Q993.1 ; Q829.3 v1(125.8,16.3) ; v1(170.43,209.18) 164.59,209.18 162.5,211.26 Q600.1 ; v1(140.04,103.14) 140.05,103.15 Q1017.1 ; v1(140.1,111.9) v1(168.15,111.9)
  Bottom w0.25: v1(168.15,111.9) 168.18,111.92 168.18,112.42 ; 168.18,112.42 168.18,112.12 ; 168.18,112.42 v1(168.18,123.55) 170.43,125.8 v1(170.43,209.18) 170.43,241.7 v1(168.18,243.95) ; v1(173.8,29.6) 173.9,29.7 v1(173.9,69.7) ; v1(140.1,111.9) 140.04,111.84 v1(140.04,103.14) DS1.7 140.3,53.64 v1(140.3,29.7) ; v1(125.8,16.3) 125.8,29.6 v1(125.9,29.7) ; v1(94.5,29.7) v1(94.5,28)
DBUS1: length 386.6
  Top w0.25: Q992.1 89.15,27.95 v1(89.1,28) ; Q828.3 v1(164.3,17.5) ; v1(142.5,114) v1(154.1,114) ; v1(174.62,68.5) 174.61,68.48 169.52,68.48 ; v1(154.18,243.95) 154.18,245.07 Q490.3 ; v1(174.62,31.3) v1(164.3,31.3) v1(142.6,31.3) v1(89.1,31.3) ; v1(156.1,209.35) 150.41,209.35 148.5,211.26 Q532.1 ; R212.2 155.25,121.4 Q487.3 154.25,123.4 v1(154.2,123.45)